# Altium PCB 驰风队20200806.PcbDoc (part 2 of 3) (continued)
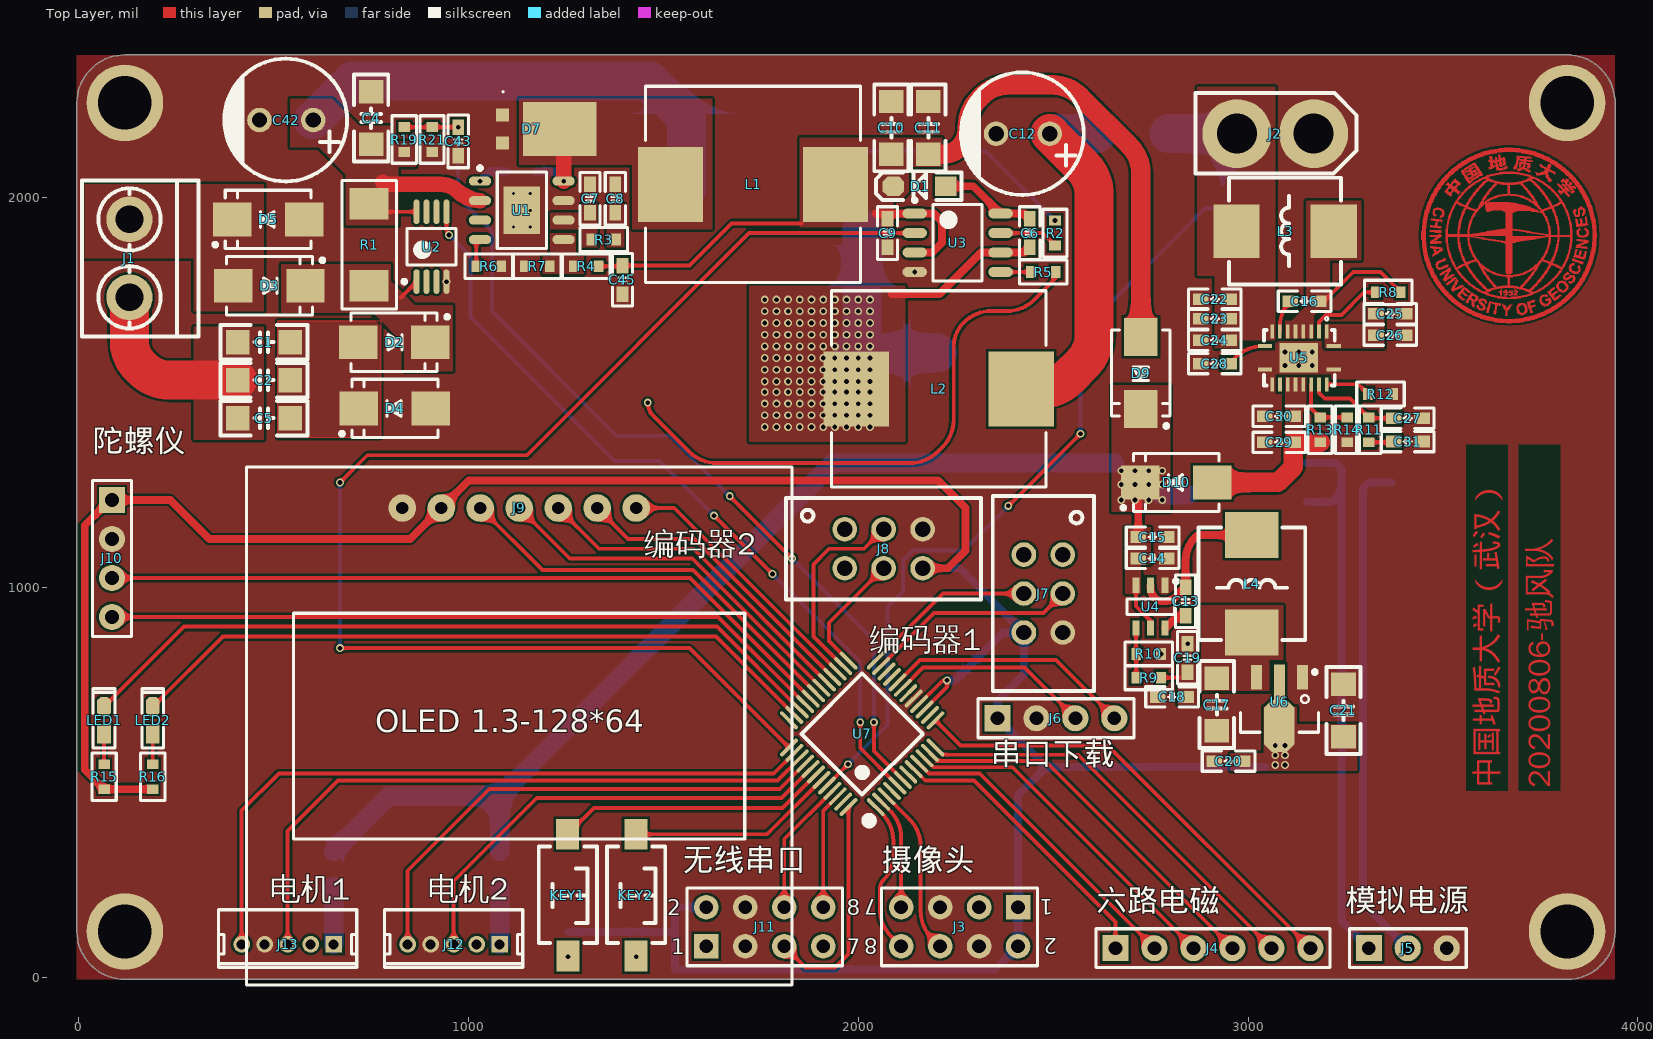
[diagram p0: Top Layer view]
## Nets (pads, with @x,y where several pads share a name; then routed paths per layer and width w, separated by ;. In a path a pad name is that pad's centre, name@x,y a point inside that pad or via, vN(x,y) a via of type N, cw(c..) or ccw(c..) an arc to the next point about the centre after c; other vN are vias at no path point) (continued)
3557.5,1794 ; 3551.5,1840.5 3557.5,1840.5 ; 3551.5,1842 3556,1842 ; 3551.5,1966.5 3556,1966.5 ; 3551.5,1968 3557.5,1968 ; 3551.5,2016 3557.5,2016 ; 3551.5,2061 3559,2061 ; 3551.5,2073 3559,2073 ; 3553,1713 3572.5,1713 ; 3553,1753.5 3560.5,1753.5 ; 3553,1771.5 3556,1771.5 ; 3553,1791 3560.5,1791 ; 3553,1792.5 3559,1792.5 ; 3553,1831.5 3565,1831.5 ; 3553,1837.5 3559,1837.5 ; 3553,1839 3557.5,1839 ; 3553,1969.5 3557.5,1969.5 ; 3553,1971 3559,1971 ; 3553,1972.5 3559,1972.5 ; 3553,1978.5 3563.5,1978.5 ; 3553,2017.5 3559,2017.5 ; 3553,2058 3560.5,2058 ; 3553,2059.5 3559,2059.5 ; 3553,2095.5 3572.5,2095.5 ; 3554.5,1711.5 3575.5,1711.5 ; 3554.5,1752 3562,1752 ; 3554.5,1789.5 3562,1789.5 ; 3554.5,1834.5 3572.5,1834.5 ; 3554.5,1836 3559,1836 ; 3554.5,1974 3560.5,1974 ; 3554.5,2019 3560.5,2019 ; 3554.5,2056.5 3562,2056.5 ; 3554.5,2074.5 3562,2074.5 ; 3554.5,2097 3575.5,2097 ; 3556,1750.5 3562,1750.5 ; 3556,1788 3563.5,1788 ; 3556,1833 3569.5,1833 ; 3556,1975.5 3571,1975.5 ; 3556,1977 3566.5,1977 ; 3556,2020.5 3562,2020.5 ; 3556,2053.5 3563.5,2053.5 ; 3556,2055 3562,2055 ; 3556,2076 3563.5,2076 ; 3557.5,1710 3580,1710 ; 3557.5,1765.5 3563.5,1765.5 ; 3557.5,1786.5 3565,1786.5 ; 3557.5,1981.5 3563.5,1981.5 ; 3557.5,2022 3563.5,2022 ; 3557.5,2050.5 3565,2050.5 ; 3557.5,2052 3565,2052 ; 3557.5,2067 3563.5,2067 ; 3557.5,2098.5 3578.5,2098.5 ; 3559,1732.5 3565,1732.5 ; 3559,1734 3565,1734 ; 3559,1749 3560.5,1749 ; 3559,1764 3565,1764 ; 3559,1825.5 3565,1825.5 ; 3559,1827 3565,1827 ; 3559,1983 3565,1983 ; 3559,2023.5 3565,2023.5 ; 3559,2049 3566.5,2049 ; 3559,2065.5 3560.5,2065.5 ; 3559,2068.5 3565,2068.5 ; 3559,2077.5 3566.5,2077.5 ; 3560.5,1708.5 3583,1708.5 ; 3560.5,1735.5 3566.5,1735.5 ; 3560.5,1737 3566.5,1737 ; 3560.5,1762.5 3568,1762.5 ; 3560.5,1785 3566.5,1785 ; 3560.5,1824 3566.5,1824 ; 3560.5,1984.5 3565,1984.5 ; 3560.5,1986 3566.5,1986 ; 3560.5,2025 3566.5,2025 ; 3560.5,2046 3568,2046 ; 3560.5,2047.5 3568,2047.5 ; 3560.5,2070 3574,2070 ; 3560.5,2079 3568,2079 ; 3560.5,2100 3583,2100 ; 3562,1731 3563.5,1731 ; 3562,1738.5 3568,1738.5 ; 3562,1740 3569.5,1740 ; 3562,1761 3569.5,1761 ; 3562,1783.5 3568,1783.5 ; 3562,1821 3568,1821 ; 3562,1822.5 3566.5,1822.5 ; 3562,1974 3575.5,1974 ; 3562,1987.5 3568,1987.5 ; 3562,1989 3568,1989 ; 3562,2026.5 3569.5,2026.5 ; 3562,2044.5 3575.5,2044.5 ; 3562,2061 3568,2061 ; 3562,2101.5 3586,2101.5 ; 3563.5,1707 3586,1707 ; 3563.5,1741.5 3575.5,1741.5 ; 3563.5,1759.5 3571,1759.5 ; 3563.5,1782 3569.5,1782 ; 3563.5,1818 3569.5,1818 ; 3563.5,1819.5 3569.5,1819.5 ; 3563.5,1836 3577,1836 ; 3563.5,1890 3568,1890 ; 3563.5,1891.5 3568,1891.5 ; 3563.5,1893 3568,1893 ; 3563.5,1894.5 3568,1894.5 ; 3563.5,1896 3568,1896 ; 3563.5,1897.5 3568,1897.5 ; 3563.5,1899 3568,1899 ; 3563.5,1900.5 3568,1900.5 ; 3563.5,1908 3568,1908 ; 3563.5,1909.5 3568,1909.5 ; 3563.5,1911 3568,1911 ; 3563.5,1912.5 3568,1912.5 ; 3563.5,1914 3568,1914 ; 3563.5,1915.5 3568,1915.5 ; 3563.5,1917 3568,1917 ; 3563.5,1918.5 3568,1918.5 ; 3563.5,1920 3568,1920 ; 3563.5,1990.5 3569.5,1990.5 ; 3563.5,2028 3571,2028 ; 3563.5,2041.5 3571,2041.5 ; 3563.5,2043 3572.5,2043 ; 3563.5,2059.5 3566.5,2059.5 ; 3563.5,2062.5 3578.5,2062.5 ; 3563.5,2071.5 3572.5,2071.5 ; 3563.5,2080.5 3571,2080.5 ; 3565,1705.5 3589,1705.5 ; 3565,1743 3574,1743 ; 3565,1744.5 3572.5,1744.5 ; 3565,1780.5 3571,1780.5 ; 3565,1816.5 3571,1816.5 ; 3565,1881 3569.5,1881 ; 3565,1882.5 3569.5,1882.5 ; 3565,1884 3569.5,1884 ; 3565,1885.5 3569.5,1885.5 ; 3565,1887 3569.5,1887 ; 3565,1888.5 3568,1888.5 ; 3565,1921.5 3569.5,1921.5 ; 3565,1923 3569.5,1923 ; 3565,1924.5 3569.5,1924.5 ; 3565,1926 3569.5,1926 ; 3565,1927.5 3569.5,1927.5 ; 3565,1992 3569.5,1992 ; 3565,1993.5 3571,1993.5 ; 3565,2029.5 3572.5,2029.5 ; 3565,2040 3572.5,2040 ; 3565,2073 3572.5,2073 ; 3565,2103 3589,2103 ; 3566.5,1746 3572.5,1746 ; 3566.5,1747.5 3574,1747.5 ; 3566.5,1758 3569.5,1758 ; 3566.5,1779 3574,1779 ; 3566.5,1813.5 3572.5,1813.5 ; 3566.5,1815 3572.5,1815 ; 3566.5,1876.5 3571,1876.5 ; 3566.5,1878 3571,1878 ; 3566.5,1879.5 3571,1879.5 ; 3566.5,1929 3571,1929 ; 3566.5,1930.5 3571,1930.5 ; 3566.5,1932 3571,1932 ; 3566.5,1933.5 3571,1933.5 ; 3566.5,1972.5 3578.5,1972.5 ; 3566.5,1995 3572.5,1995 ; 3566.5,1996.5 3572.5,1996.5 ; 3566.5,2037 3568,2037 ; 3566.5,2038.5 3571,2038.5 ; 3566.5,2052 3574,2052 ; 3566.5,2064 3578.5,2064 ; 3566.5,2082 3572.5,2082 ; 3568,1704 3593.5,1704 ; 3568,1749 3574,1749 ; 3568,1777.5 3575.5,1777.5 ; 3568,1812 3574,1812 ; 3568,1837.5 3581.5,1837.5 ; 3568,1870.5 3574,1870.5 ; 3568,1872 3572.5,1872 ; 3568,1873.5 3572.5,1873.5 ; 3568,1875 3572.5,1875 ; 3568,1935 3572.5,1935 ; 3568,1936.5 3572.5,1936.5 ; 3568,1938 3572.5,1938 ; 3568,1998 3574,1998 ; 3568,2031 3574,2031 ; 3568,2050.5 3571,2050.5 ; 3568,2068.5 3584.5,2068.5 ; 3568,2074.5 3574,2074.5 ; 3568,2083.5 3575.5,2083.5 ; 3568,2104.5 3593.5,2104.5 ; 3569.5,1750.5 3575.5,1750.5 ; 3569.5,1752 3583,1752 ; 3569.5,1809 3577,1809 ; 3569.5,1810.5 3575.5,1810.5 ; 3569.5,1867.5 3574,1867.5 ; 3569.5,1869 3574,1869 ; 3569.5,1939.5 3574,1939.5 ; 3569.5,1941 3574,1941 ; 3569.5,1942.5 3574,1942.5 ; 3569.5,1971 3583,1971 ; 3569.5,1999.5 3575.5,1999.5 ; 3569.5,2001 3575.5,2001 ; 3569.5,2032.5 3577,2032.5 ; 3569.5,2053.5 3575.5,2053.5 ; 3569.5,2065.5 3577,2065.5 ; 3569.5,2067 3577,2067 ; 3569.5,2076 3577,2076 ; 3571,1702.5 3598,1702.5 ; 3571,1740 3578.5,1740 ; 3571,1753.5 3580,1753.5 ; 3571,1755 3578.5,1755 ; 3571,1776 3577,1776 ; 3571,1807.5 3577,1807.5 ; 3571,1839 3592,1839 ; 3571,1863 3577,1863 ; 3571,1864.5 3575.5,1864.5 ; 3571,1866 3575.5,1866 ; 3571,1944 3575.5,1944 ; 3571,1945.5 3575.5,1945.5 ; 3571,2002.5 3577,2002.5 ; 3571,2034 3578.5,2034 ; 3571,2046 3577,2046 ; 3571,2055 3578.5,2055 ; 3571,2085 3577,2085 ; 3571,2106 3596.5,2106 ; 3572.5,1738.5 3589,1738.5 ; 3572.5,1756.5 3575.5,1756.5 ; 3572.5,1774.5 3580,1774.5 ; 3572.5,1806 3578.5,1806 ; 3572.5,1860 3578.5,1860 ; 3572.5,1861.5 3577,1861.5 ; 3572.5,1900.5 3589,1900.5 ; 3572.5,1947 3577,1947 ; 3572.5,1948.5 3577,1948.5 ; 3572.5,1950 3578.5,1950 ; 3572.5,2004 3578.5,2004 ; 3572.5,2035.5 3580,2035.5 ; 3572.5,2047.5 3580,2047.5 ; 3572.5,2061 3587.5,2061 ; 3572.5,2077.5 3578.5,2077.5 ; 3572.5,2086.5 3586,2086.5 ; 3574,1726.5 3580,1726.5 ; 3574,1728 3580,1728 ; 3574,1729.5 3580,1729.5 ; 3574,1731 3580,1731 ; 3574,1732.5 3580,1732.5 ; 3574,1734 3578.5,1734 ; 3574,1735.5 3578.5,1735.5 ; 3574,1737 3587.5,1737 ; 3574,1773 3581.5,1773 ; 3574,1803 3581.5,1803 ; 3574,1804.5 3580,1804.5 ; 3574,1857 3580,1857 ; 3574,1858.5 3578.5,1858.5 ; 3574,1951.5 3578.5,1951.5 ; 3574,1953 3580,1953 ; 3574,1969.5 3590.5,1969.5 ; 3574,2005.5 3580,2005.5 ; 3574,2007 3580,2007 ; 3574,2056.5 3580,2056.5 ; 3574,2058 3583,2058 ; 3574,2059.5 3584.5,2059.5 ; 3574,2079 3580,2079 ; 3574,2107.5 3601,2107.5 ; 3575.5,1701 3602.5,1701 ; 3575.5,1723.5 3580,1723.5 ; 3575.5,1725 3580,1725 ; 3575.5,1801.5 3581.5,1801.5 ; 3575.5,1840.5 3590.5,1840.5 ; 3575.5,1854 3581.5,1854 ; 3575.5,1855.5 3580,1855.5 ; 3575.5,1954.5 3580,1954.5 ; 3575.5,1956 3581.5,1956 ; 3575.5,2008.5 3581.5,2008.5 ; 3575.5,2037 3583,2037 ; 3575.5,2049 3581.5,2049 ; 3575.5,2070 3583,2070 ; 3575.5,2088 3584.5,2088 ; 3577,1722 3580,1722 ; 3577,1750.5 3586,1750.5 ; 3577,1771.5 3584.5,1771.5 ; 3577,1800 3583,1800 ; 3577,1851 3583,1851 ; 3577,1852.5 3581.5,1852.5 ; 3577,1908 3677.5,1908 ; 3577,1957.5 3583,1957.5 ; 3577,2010 3583,2010 ; 3577,2011.5 3584.5,2011.5 ; 3577,2038.5 3584.5,2038.5 ; 3577,2050.5 3584.5,2050.5 ; 3577,2080.5 3578.5,2080.5 ; 3577,2089.5 3583,2089.5 ; 3578.5,1699.5 3607,1699.5 ; 3578.5,1720.5 3580,1720.5 ; 3578.5,1770 3586,1770 ; 3578.5,1797 3586,1797 ; 3578.5,1798.5 3584.5,1798.5 ; 3578.5,1849.5 3583,1849.5 ; 3578.5,1959 3583,1959 ; 3578.5,1960.5 3584.5,1960.5 ; 3578.5,1968 3589,1968 ; 3578.5,2013 3586,2013 ; 3578.5,2071.5 3584.5,2071.5 ; 3578.5,2085 3586,2085 ; 3578.5,2109 3605.5,2109 ; 3580,1749 3587.5,1749 ; 3580,1795.5 3587.5,1795.5 ; 3580,1842 3589,1842 ; 3580,1846.5 3586,1846.5 ; 3580,1848 3584.5,1848 ; 3580,1962 3584.5,1962 ; 3580,1963.5 3586,1963.5 ; 3580,2014.5 3586,2014.5 ; 3580,2040 3587.5,2040 ; 3580,2052 3587.5,2052 ; 3580,2065.5 3586,2065.5 ; 3580,2067 3586,2067 ; 3580,2073 3583,2073 ; 3580,2083.5 3587.5,2083.5 ; 3580,2091 3583,2091 ; 3581.5,1698 3611.5,1698 ; 3581.5,1735.5 3584.5,1735.5 ; 3581.5,1747.5 3589,1747.5 ; 3581.5,1768.5 3589,1768.5 ; 3581.5,1794 3587.5,1794 ; 3581.5,1843.5 3587.5,1843.5 ; 3581.5,1845 3587.5,1845 ; 3581.5,1899 3598,1899 ; 3581.5,1965 3587.5,1965 ; 3581.5,1966.5 3589,1966.5 ; 3581.5,2016 3587.5,2016 ; 3581.5,2041.5 3590.5,2041.5 ; 3581.5,2053.5 3589,2053.5 ; 3581.5,2080.5 3589,2080.5 ; 3581.5,2082 3589,2082 ; 3581.5,2110.5 3611.5,2110.5 ; 3583,1740 3589,1740 ; 3583,1767 3592,1767 ; 3583,1792.5 3589,1792.5 ; 3583,2017.5 3589,2017.5 ; 3583,2019 3590.5,2019 ; 3583,2062.5 3590.5,2062.5 ; 3583,2064 3590.5,2064 ; 3583,2079 3590.5,2079 ; 3584.5,1696.5 3617.5,1696.5 ; 3584.5,1741.5 3590.5,1741.5 ; 3584.5,1743 3590.5,1743 ; 3584.5,1744.5 3590.5,1744.5 ; 3584.5,1746 3590.5,1746 ; 3584.5,1791 3590.5,1791 ; 3584.5,2020.5 3592,2020.5 ; 3584.5,2043 3592,2043 ; 3584.5,2055 3592,2055 ; 3584.5,2076 3592,2076 ; 3584.5,2077.5 3592,2077.5 ; 3584.5,2112 3616,2112 ; 3586,1765.5 3593.5,1765.5 ; 3586,1789.5 3592,1789.5 ; 3586,1909.5 3677.5,1909.5 ; 3586,1971 3592,1971 ; 3586,2022 3593.5,2022 ; 3586,2044.5 3595,2044.5 ; 3586,2056.5 3593.5,2056.5 ; 3586,2074.5 3593.5,2074.5 ; 3587.5,1719 3593.5,1719 ; 3587.5,1720.5 3592,1720.5 ; 3587.5,1722 3592,1722 ; 3587.5,1723.5 3592,1723.5 ; 3587.5,1725 3592,1725 ; 3587.5,1764 3596.5,1764 ; 3587.5,1786.5 3595,1786.5 ; 3587.5,1788 3593.5,1788 ; 3587.5,1836 3593.5,1836 ; 3587.5,1837.5 3593.5,1837.5 ; 3587.5,1972.5 3593.5,1972.5 ; 3587.5,2023.5 3593.5,2023.5 ; 3587.5,2065.5 3589,2065.5 ; 3587.5,2071.5 3595,2071.5 ; 3587.5,2073 3595,2073 ; 3589,1695 3623.5,1695 ; 3589,1717.5 3596.5,1717.5 ; 3589,1785 3596.5,1785 ; 3589,1834.5 3595,1834.5 ; 3589,1897.5 3607,1897.5 ; 3589,1974 3595,1974 ; 3589,2025 3595,2025 ; 3589,2046 3598,2046 ; 3589,2058 3599.5,2058 ; 3589,2070 3596.5,2070 ; 3589,2113.5 3622,2113.5 ; 3590.5,1716 3607,1716 ; 3590.5,1762.5 3599.5,1762.5 ; 3590.5,1783.5 3598,1783.5 ; 3590.5,1831.5 3598,1831.5 ; 3590.5,1833 3596.5,1833 ; 3590.5,1975.5 3596.5,1975.5 ; 3590.5,1977 3598,1977 ; 3590.5,2026.5 3596.5,2026.5 ; 3590.5,2059.5 3602.5,2059.5 ; 3590.5,2067 3598,2067 ; 3590.5,2068.5 3598,2068.5 ; 3592,1714.5 3607,1714.5 ; 3592,1734 3598,1734 ; 3592,1735.5 3598,1735.5 ; 3592,1737 3598,1737 ; 3592,1782 3599.5,1782 ; 3592,1828.5 3601,1828.5 ; 3592,1830 3599.5,1830 ; 3592,1978.5 3599.5,1978.5 ; 3592,1980 3601,1980 ; 3592,2028 3598,2028 ; 3592,2047.5 3601,2047.5 ; 3592,2065.5 3599.5,2065.5 ; 3592,2115 3629.5,2115 ; 3593.5,1693.5 3631,1693.5 ; 3593.5,1731 3601,1731 ; 3593.5,1732.5 3599.5,1732.5 ; 3593.5,1738.5 3610,1738.5 ; 3593.5,1740 3608.5,1740 ; 3593.5,1761 3602.5,1761 ; 3593.5,1780.5 3601,1780.5 ; 3593.5,1825.5 3605.5,1825.5 ; 3593.5,1827 3604,1827 ; 3593.5,1981.5 3602.5,1981.5 ; 3593.5,1983 3604,1983 ; 3593.5,2029.5 3599.5,2029.5 ; 3593.5,2031 3601,2031 ; 3593.5,2061 3602.5,2061 ; 3593.5,2062.5 3601,2062.5 ; 3593.5,2064 3599.5,2064 ; 3595,1713 3604,1713 ; 3595,1729.5 3602.5,1729.5 ; 3595,1779 3602.5,1779 ; 3595,1824 3607,1824 ; 3595,1911 3677.5,1911 ; 3595,1984.5 3605.5,1984.5 ; 3595,1986 3691,1986 ; 3595,2032.5 3602.5,2032.5 ; 3595,2049 3604,2049 ; 3596.5,1692 3640,1692 ; 3596.5,1728 3605.5,1728 ; 3596.5,1741.5 3605.5,1741.5 ; 3596.5,1759.5 3616,1759.5 ; 3596.5,1777.5 3604,1777.5 ; 3596.5,1821 3602.5,1821 ; 3596.5,1822.5 3608.5,1822.5 ; 3596.5,1987.5 3682,1987.5 ; 3596.5,1989 3602.5,1989 ; 3596.5,2034 3604,2034 ; 3596.5,2116.5 3638.5,2116.5 ; 3598,1726.5 3607,1726.5 ; 3598,1776 3605.5,1776 ; 3598,1818 3604,1818 ; 3598,1819.5 3602.5,1819.5 ; 3598,1896 3617.5,1896 ; 3598,1990.5 3602.5,1990.5 ; 3598,1992 3604,1992 ; 3598,2035.5 3605.5,2035.5 ; 3598,2050.5 3617.5,2050.5 ; 3599.5,1725 3607,1725 ; 3599.5,1758 3613,1758 ; 3599.5,1774.5 3607,1774.5 ; 3599.5,1815 3605.5,1815 ; 3599.5,1816.5 3605.5,1816.5 ; 3599.5,1993.5 3605.5,1993.5 ; 3599.5,2037 3607,2037 ; 3601,1690.5 3653.5,1690.5 ; 3601,1773 3608.5,1773 ; 3601,1813.5 3607,1813.5 ; 3601,1995 3605.5,1995 ; 3601,1996.5 3607,1996.5 ; 3601,2038.5 3608.5,2038.5 ; 3601,2052 3614.5,2052 ; 3601,2118 3652,2118 ; 3602.5,1717.5 3608.5,1717.5 ; 3602.5,1722 3608.5,1722 ; 3602.5,1723.5 3608.5,1723.5 ; 3602.5,1756.5 3613,1756.5 ; 3602.5,1771.5 3610,1771.5 ; 3602.5,1810.5 3608.5,1810.5 ; 3602.5,1812 3607,1812 ; 3602.5,1912.5 3677.5,1912.5 ; 3602.5,1998 3608.5,1998 ; 3602.5,1999.5 3608.5,1999.5 ; 3602.5,2040 3610,2040 ; 3604,1719 3608.5,1719 ; 3604,1720.5 3608.5,1720.5 ; 3604,1737 3611.5,1737 ; 3604,1770 3611.5,1770 ; 3604,1807.5 3610,1807.5 ; 3604,1809 3610,1809 ; 3604,1821 3611.5,1821 ; 3604,1989 3613,1989 ; 3604,2001 3610,2001 ; 3604,2041.5 3611.5,2041.5 ; 3604,2053.5 3614.5,2053.5 ; 3605.5,1755 3617.5,1755 ; 3605.5,1768.5 3613,1768.5 ; 3605.5,1806 3611.5,1806 ; 3605.5,1819.5 3613,1819.5 ; 3605.5,2002.5 3611.5,2002.5 ; 3605.5,2004 3611.5,2004 ; 3605.5,2043 3613,2043 ; 3605.5,2119.5 3734.5,2119.5 ; 3607,1689 3733,1689 ; 3607,1732.5 3613,1732.5 ; 3607,1734 3613,1734 ; 3607,1735.5 3613,1735.5 ; 3607,1761 3619,1761 ; 3607,1767 3614.5,1767 ; 3607,1803 3613,1803 ; 3607,1804.5 3613,1804.5 ; 3607,1818 3616,1818 ; 3607,1894.5 3626.5,1894.5 ; 3607,1990.5 3613,1990.5 ; 3607,2005.5 3613,2005.5 ; 3607,2055 3619,2055 ; 3608.5,1731 3613,1731 ; 3608.5,1765.5 3616,1765.5 ; 3608.5,1801.5 3614.5,1801.5 ; 3608.5,1978.5 3719.5,1978.5 ; 3608.5,1980 3715,1980 ; 3608.5,1981.5 3710.5,1981.5 ; 3608.5,1983 3704.5,1983 ; 3608.5,1984.5 3698.5,1984.5 ; 3608.5,1992 3616,1992 ; 3608.5,2007 3614.5,2007 ; 3608.5,2008.5 3614.5,2008.5 ; 3608.5,2044.5 3616,2044.5 ; 3610,1753.5 3622,1753.5 ; 3610,1800 3616,1800 ; 3610,1816.5 3617.5,1816.5 ; 3610,1971 3737.5,1971 ; 3610,1972.5 3734.5,1972.5 ; 3610,1974 3731.5,1974 ; 3610,1975.5 3727,1975.5 ; 3610,1977 3724,1977 ; 3610,1993.5 3619,1993.5 ; 3610,2010 3616,2010 ; 3610,2046 3629.5,2046 ; 3610,2049 3620.5,2049 ; 3611.5,1687.5 3728.5,1687.5 ; 3611.5,1708.5 3617.5,1708.5 ; 3611.5,1762.5 3623.5,1762.5 ; 3611.5,1764 3626.5,1764 ; 3611.5,1797 3617.5,1797 ; 3611.5,1798.5 3617.5,1798.5 ; 3611.5,1815 3620.5,1815 ; 3611.5,1914 3677.5,1914 ; 3611.5,1968 3628,1968 ; 3611.5,1969.5 3740.5,1969.5 ; 3611.5,2011.5 3617.5,2011.5 ; 3611.5,2047.5 3625,2047.5 ; 3611.5,2056.5 3623.5,2056.5 ; 3611.5,2121 3728.5,2121 ; 3613,1710 3617.5,1710 ; 3613,1711.5 3617.5,1711.5 ; 3613,1713 3619,1713 ; 3613,1714.5 3619,1714.5 ; 3613,1752 3626.5,1752 ; 3613,1795.5 3619,1795.5 ; 3613,1966.5 3620.5,1966.5 ; 3613,1995 3622,1995 ; 3613,2013 3619,2013 ; 3613,2014.5 3619,2014.5 ; 3614.5,1707 3617.5,1707 ; 3614.5,1716 3619,1716 ; 3614.5,1717.5 3620.5,1717.5 ; 3614.5,1719 3620.5,1719 ; 3614.5,1792.5 3620.5,1792.5 ; 3614.5,1794 3620.5,1794 ; 3614.5,1813.5 3623.5,1813.5 ; 3614.5,2016 3620.5,2016 ; 3614.5,2058 3628,2058 ; 3616,1720.5 3620.5,1720.5 ; 3616,1722 3620.5,1722 ; 3616,1723.5 3622,1723.5 ; 3616,1725 3622,1725 ; 3616,1791 3622,1791 ; 3616,1893 3635.5,1893 ; 3616,1996.5 3625,1996.5 ; 3616,2017.5 3622,2017.5 ; 3616,2094 3628,2094 ; 3616,2095.5 3632.5,2095.5 ; 3617.5,1686 3722.5,1686 ; 3617.5,1726.5 3622,1726.5 ; 3617.5,1728 3623.5,1728 ; 3617.5,1729.5 3623.5,1729.5 ; 3617.5,1750.5 3632.5,1750.5 ; 3617.5,1765.5 3631,1765.5 ; 3617.5,1789.5 3623.5,1789.5 ; 3617.5,1812 3626.5,1812 ; 3617.5,1998 3628,1998 ; 3617.5,2019 3623.5,2019 ; 3617.5,2020.5 3625,2020.5 ; 3617.5,2077.5 3628,2077.5 ; 3617.5,2079 3629.5,2079 ; 3617.5,2122.5 3722.5,2122.5 ; 3619,1731 3623.5,1731 ; 3619,1732.5 3625,1732.5 ; 3619,1734 3625,1734 ; 3619,1788 3625,1788 ; 3619,1989 3670,1989 ; 3619,2022 3625,2022 ; 3619,2044.5 3634,2044.5 ; 3619,2059.5 3635.5,2059.5 ; 3619,2074.5 3622,2074.5 ; 3619,2076 3625,2076 ; 3619,2097 3631,2097 ; 3619,2106 3625,2106 ; 3620.5,1767 3637,1767 ; 3620.5,1785 3626.5,1785 ; 3620.5,1786.5 3626.5,1786.5 ; 3620.5,1810.5 3629.5,1810.5 ; 3620.5,1915.5 3677.5,1915.5 ; 3620.5,1999.5 3631,1999.5 ; 3620.5,2023.5 3626.5,2023.5 ; 3620.5,2098.5 3626.5,2098.5 ; 3620.5,2100 3626.5,2100 ; 3620.5,2101.5 3626.5,2101.5 ; 3620.5,2103 3626.5,2103 ; 3620.5,2104.5 3626.5,2104.5 ; 3620.5,2107.5 3625,2107.5 ; 3622,1749 3638.5,1749 ; 3622,1783.5 3628,1783.5 ; 3622,2025 3628,2025 ; 3622,2080.5 3632.5,2080.5 ; 3622,2086.5 3628,2086.5 ; 3622,2088 3628,2088 ; 3622,2089.5 3628,2089.5 ; 3622,2091 3628,2091 ; 3622,2092.5 3628,2092.5 ; 3623.5,1782 3629.5,1782 ; 3623.5,1809 3634,1809 ; 3623.5,2001 3635.5,2001 ; 3623.5,2026.5 3629.5,2026.5 ; 3623.5,2043 3640,2043 ; 3623.5,2061 3641.5,2061 ; 3623.5,2082 3634,2082 ; 3623.5,2083.5 3634,2083.5 ; 3623.5,2085 3628,2085 ; 3623.5,2124 3716.5,2124 ; 3625,1684.5 3715,1684.5 ; 3625,1768.5 3643,1768.5 ; 3625,1780.5 3631,1780.5 ; 3625,1891.5 3644.5,1891.5 ; 3625,2028 3631,2028 ; 3626.5,1729.5 3646,1729.5 ; 3626.5,1731 3638.5,1731 ; 3626.5,1732.5 3631,1732.5 ; 3626.5,1747.5 3647.5,1747.5 ; 3626.5,1777.5 3634,1777.5 ; 3626.5,1779 3632.5,1779 ; 3626.5,1807.5 3638.5,1807.5 ; 3626.5,2029.5 3632.5,2029.5 ; 3628,1776 3635.5,1776 ; 3628,2002.5 3640,2002.5 ; 3628,2031 3634,2031 ; 3628,2032.5 3635.5,2032.5 ; 3628,2041.5 3646,2041.5 ; 3629.5,1770 3653.5,1770 ; 3629.5,1774.5 3637,1774.5 ; 3629.5,1806 3643,1806 ; 3629.5,1917 3677.5,1917 ; 3629.5,2034 3637,2034 ; 3629.5,2062.5 3652,2062.5 ; 3629.5,2094 3641.5,2094 ; 3629.5,2098.5 3631,2098.5 ; 3631,1704 3635.5,1704 ; 3631,1705.5 3635.5,1705.5 ; 3631,1707 3637,1707 ; 3631,1708.5 3637,1708.5 ; 3631,1710 3637,1710 ; 3631,1728 3649,1728 ; 3631,1773 3637,1773 ; 3631,2004 3644.5,2004 ; 3631,2035.5 3638.5,2035.5 ; 3631,2091 3640,2091 ; 3631,2092.5 3640,2092.5 ; 3632.5,1683 3707.5,1683 ; 3632.5,1702.5 3635.5,1702.5 ; 3632.5,1711.5 3637,1711.5 ; 3632.5,1713 3637,1713 ; 3632.5,1714.5 3637,1714.5 ; 3632.5,1716 3638.5,1716 ; 3632.5,1717.5 3638.5,1717.5 ; 3632.5,1746 3664,1746 ; 3632.5,1771.5 3704.5,1771.5 ; 3632.5,1890 3653.5,1890 ; 3632.5,2037 3640,2037 ; 3632.5,2040 3656.5,2040 ; 3632.5,2125.5 3707.5,2125.5 ; 3634,1719 3638.5,1719 ; 3634,1720.5 3638.5,1720.5 ; 3634,1722 3638.5,1722 ; 3634,1723.5 3640,1723.5 ; 3634,1725 3640,1725 ; 3634,1726.5 3649,1726.5 ; 3634,1804.5 3649,1804.5 ; 3634,2038.5 3704.5,2038.5 ; 3634,2095.5 3649,2095.5 ; 3634,2097 3649,2097 ; 3634,2098.5 3640,2098.5 ; 3634,2100 3640,2100 ; 3634,2101.5 3638.5,2101.5 ; 3634,2103 3638.5,2103 ; 3634,2104.5 3638.5,2104.5 ; 3635.5,2005.5 3652,2005.5 ; 3635.5,2064 3704.5,2064 ; 3635.5,2085 3641.5,2085 ; 3635.5,2086.5 3641.5,2086.5 ; 3635.5,2088 3641.5,2088 ; 3635.5,2089.5 3640,2089.5 ; 3637,1918.5 3698.5,1918.5 ; 3637,2074.5 3661,2074.5 ; 3637,2076 3664,2076 ; 3637,2077.5 3643,2077.5 ; 3637,2079 3643,2079 ; 3637,2080.5 3641.5,2080.5 ; 3637,2082 3641.5,2082 ; 3637,2083.5 3641.5,2083.5 ; 3638.5,1803 3658,1803 ; 3638.5,2073 3653.5,2073 ; 3640,1744.5 3700,1744.5 ; 3640,2007 3665.5,2007 ; 3641.5,1773 3692.5,1773 ; 3641.5,1888.5 3695.5,1888.5 ; 3641.5,2098.5 3659.5,2098.5 ; 3641.5,2107.5 3647.5,2107.5 ; 3641.5,2109 3647.5,2109 ; 3641.5,2110.5 3647.5,2110.5 ; 3643,1681.5 3697,1681.5 ; 3643,1759.5 3650.5,1759.5 ; 3643,1801.5 3697,1801.5 ; 3643,2100 3659.5,2100 ; 3643,2101.5 3659.5,2101.5 ; 3643,2103 3649,2103 ; 3643,2104.5 3649,2104.5 ; 3643,2106 3647.5,2106 ; 3643,2127 3698.5,2127 ; 3644.5,1761 3650.5,1761 ; 3644.5,2037 3695.5,2037 ; 3644.5,2065.5 3695.5,2065.5 ; 3644.5,2086.5 3650.5,2086.5 ; 3644.5,2088 3650.5,2088 ; 3644.5,2089.5 3650.5,2089.5 ; 3644.5,2091 3650.5,2091 ; 3644.5,2092.5 3650.5,2092.5 ; 3644.5,2094 3649,2094 ; 3646,1725 3649,1725 ; 3646,1920 3689.5,1920 ; 3646,2008.5 3694,2008.5 ; 3646,2082 3652,2082 ; 3646,2083.5 3650.5,2083.5 ; 3646,2085 3650.5,2085 ; 3647.5,1752 3650.5,1752 ; 3647.5,1753.5 3650.5,1753.5 ; 3647.5,1755 3650.5,1755 ; 3647.5,1756.5 3650.5,1756.5 ; 3647.5,1758 3650.5,1758 ; 3647.5,1762.5 3650.5,1762.5 ; 3649,1764 3650.5,1764 ; 3650.5,1743 3689.5,1743 ; 3650.5,1800 3689.5,1800 ; 3650.5,1887 3686.5,1887 ; 3652,1726.5 3658,1726.5 ; 3652,1728 3653.5,1728 ; 3652,1774.5 3682,1774.5 ; 3652,1968 3743.5,1968 ; 3652,2086.5 3661,2086.5 ; 3652,2103 3658,2103 ; 3653.5,1723.5 3659.5,1723.5 ; 3653.5,1725 3659.5,1725 ; 3653.5,2010 3686.5,2010 ; 3653.5,2035.5 3685,2035.5 ; 3653.5,2077.5 3665.5,2077.5 ; 3653.5,2085 3659.5,2085 ; 3653.5,2088 3661,2088 ; 3653.5,2092.5 3659.5,2092.5 ; 3653.5,2094 3659.5,2094 ; 3653.5,2095.5 3659.5,2095.5 ; 3653.5,2097 3659.5,2097 ; 3655,1720.5 3661,1720.5 ; 3655,1722 3661,1722 ; 3655,1759.5 3658,1759.5 ; 3655,1921.5 3680.5,1921.5 ; 3655,2067 3685,2067 ; 3655,2083.5 3656.5,2083.5 ; 3655,2089.5 3661,2089.5 ; 3655,2091 3661,2091 ; 3655,2104.5 3658,2104.5 ; 3656.5,1717.5 3662.5,1717.5 ; 3656.5,1719 3662.5,1719 ; 3656.5,1752 3665.5,1752 ; 3656.5,1756.5 3667,1756.5 ; 3656.5,1758 3659.5,1758 ; 3656.5,1761 3659.5,1761 ; 3656.5,1762.5 3665.5,1762.5 ; 3656.5,1966.5 3688,1966.5 ; 3658,1716 3670,1716 ; 3658,1885.5 3677.5,1885.5 ; 3658,2079 3665.5,2079 ; 3658,2128.5 3680.5,2128.5 ; 3659.5,1699.5 3665.5,1699.5 ; 3659.5,1713 3667,1713 ; 3659.5,1714.5 3668.5,1714.5 ; 3659.5,1750.5 3661,1750.5 ; 3659.5,1764 3662.5,1764 ; 3659.5,1965 3683.5,1965 ; 3659.5,2080.5 3665.5,2080.5 ; 3659.5,2082 3665.5,2082 ; 3661,1701 3665.5,1701 ; 3661,1702.5 3665.5,1702.5 ; 3661,1704 3665.5,1704 ; 3661,1705.5 3665.5,1705.5 ; 3661,1707 3665.5,1707 ; 3661,1708.5 3665.5,1708.5 ; 3661,1710 3665.5,1710 ; 3661,1711.5 3667,1711.5 ; 3661,1798.5 3679,1798.5 ; 3661,1809 3677.5,1809 ; 3661,1810.5 3677.5,1810.5 ; 3661,1812 3677.5,1812 ; 3661,1813.5 3677.5,1813.5 ; 3661,1815 3677.5,1815 ; 3661,1816.5 3677.5,1816.5 ; 3661,1818 3677.5,1818 ; 3661,1819.5 3677.5,1819.5 ; 3661,1821 3677.5,1821 ; 3661,1822.5 3677.5,1822.5 ; 3661,1824 3677.5,1824 ; 3661,1825.5 3677.5,1825.5 ; 3661,1827 3677.5,1827 ; 3661,1828.5 3677.5,1828.5 ; 3661,1830 3677.5,1830 ; 3661,1831.5 3677.5,1831.5 ; 3661,1833 3677.5,1833 ; 3661,1834.5 3677.5,1834.5 ; 3661,1836 3677.5,1836 ; 3661,1837.5 3677.5,1837.5 ; 3661,1839 3677.5,1839 ; 3661,1840.5 3677.5,1840.5 ; 3661,1842 3677.5,1842 ; 3661,1843.5 3677.5,1843.5 ; 3661,1845 3677.5,1845 ; 3661,1846.5 3677.5,1846.5 ; 3661,1848 3677.5,1848 ; 3661,1849.5 3677.5,1849.5 ; 3661,1851 3677.5,1851 ; 3661,1852.5 3677.5,1852.5 ; 3661,1854 3677.5,1854 ; 3661,1855.5 3677.5,1855.5 ; 3661,1857 3677.5,1857 ; 3661,1858.5 3677.5,1858.5 ; 3661,1860 3677.5,1860 ; 3661,1861.5 3677.5,1861.5 ; 3661,1863 3677.5,1863 ; 3661,1864.5 3677.5,1864.5 ; 3661,1866 3677.5,1866 ; 3661,1867.5 3677.5,1867.5 ; 3661,1869 3677.5,1869 ; 3661,1870.5 3677.5,1870.5 ; 3661,1872 3677.5,1872 ; 3661,1873.5 3677.5,1873.5 ; 3661,1875 3677.5,1875 ; 3661,1876.5 3677.5,1876.5 ; 3661,1878 3677.5,1878 ; 3661,1879.5 3677.5,1879.5 ; 3661,1881 3677.5,1881 ; 3661,1882.5 3677.5,1882.5 ; 3661,1884 3677.5,1884 ; 3661,1890 3703,1890 ; 3661,1891.5 3712,1891.5 ; 3661,1893 3721,1893 ; 3661,1894.5 3730,1894.5 ; 3661,1896 3739,1896 ; 3661,1897.5 3748,1897.5 ; 3661,1899 3757,1899 ; 3661,1900.5 3764.5,1900.5 ; 3661,1902 3832,1902 ; 3661,1903.5 3677.5,1903.5 ; 3661,1923 3677.5,1923 ; 3661,1924.5 3677.5,1924.5 ; 3661,1926 3677.5,1926 ; 3661,1927.5 3677.5,1927.5 ; 3661,1929 3677.5,1929 ; 3661,1930.5 3677.5,1930.5 ; 3661,1932 3677.5,1932 ; 3661,1933.5 3677.5,1933.5 ; 3661,1935 3677.5,1935 ; 3661,1936.5 3677.5,1936.5 ; 3661,1938 3677.5,1938 ; 3661,1939.5 3677.5,1939.5 ; 3661,1941 3677.5,1941 ; 3661,1942.5 3677.5,1942.5 ; 3661,1944 3677.5,1944 ; 3661,1945.5 3677.5,1945.5 ; 3661,1947 3677.5,1947 ; 3661,1948.5 3677.5,1948.5 ; 3661,1950 3677.5,1950 ; 3661,1951.5 3677.5,1951.5 ; 3661,1953 3677.5,1953 ; 3661,1954.5 3677.5,1954.5 ; 3661,1956 3677.5,1956 ; 3661,1957.5 3677.5,1957.5 ; 3661,1959 3677.5,1959 ; 3661,1960.5 3677.5,1960.5 ; 3661,1962 3677.5,1962 ; 3661,1963.5 3680.5,1963.5 ; 3662.5,1753.5 3665.5,1753.5 ; 3662.5,1755 3665.5,1755 ; 3662.5,1758 3667,1758 ; 3662.5,1759.5 3667,1759.5 ; 3662.5,1761 3665.5,1761 ; 3662.5,1807.5 3676,1807.5 ; 3664,1680 3676,1680 ; 3664,1806 3674.5,1806 ; 3665.5,1717.5 3671.5,1717.5 ; 3665.5,1719 3671.5,1719 ; 3667,1720.5 3673,1720.5 ; 3667,1776 3671.5,1776 ; 3667,1777.5 3671.5,1777.5 ; 3667,1779 3671.5,1779 ; 3667,1780.5 3671.5,1780.5 ; 3667,1782 3671.5,1782 ; 3667,1783.5 3671.5,1783.5 ; 3667,1785 3671.5,1785 ; 3667,1786.5 3671.5,1786.5 ; 3667,1788 3671.5,1788 ; 3667,1789.5 3671.5,1789.5 ; 3667,1791 3671.5,1791 ; 3667,1792.5 3671.5,1792.5 ; 3667,1794 3671.5,1794 ; 3667,1795.5 3671.5,1795.5 ; 3667,1797 3671.5,1797 ; 3667,2011.5 3671.5,2011.5 ; 3667,2013 3671.5,2013 ; 3667,2014.5 3671.5,2014.5 ; 3667,2016 3671.5,2016 ; 3667,2017.5 3671.5,2017.5 ; 3667,2019 3671.5,2019 ; 3667,2020.5 3671.5,2020.5 ; 3667,2022 3671.5,2022 ; 3667,2023.5 3671.5,2023.5 ; 3667,2025 3671.5,2025 ; 3667,2026.5 3671.5,2026.5 ; 3667,2028 3671.5,2028 ; 3667,2029.5 3671.5,2029.5 ; 3667,2031 3671.5,2031 ; 3667,2032.5 3671.5,2032.5 ; 3667,2034 3671.5,2034 ; 3668.5,1722 3674.5,1722 ; 3668.5,1723.5 3674.5,1723.5 ; 3668.5,1753.5 3671.5,1753.5 ; 3668.5,1758 3679,1758 ; 3670,1725 3676,1725 ; 3670,1752 3677.5,1752 ; 3670,1759.5 3673,1759.5 ; 3670,1761 3673,1761 ; 3670,1762.5 3679,1762.5 ; 3671.5,1726.5 3677.5,1726.5 ; 3673,1750.5 3674.5,1750.5 ; 3673,2007 3700,2007 ; 3676,1746 3707.5,1746 ; 3676,1753.5 3679,1753.5 ; 3676,1755 3679,1755 ; 3676,1756.5 3679,1756.5 ; 3680.5,1770 3704.5,1770 ; 3680.5,2077.5 3688,2077.5 ; 3682,1752 3692.5,1752 ; 3682,1753.5 3686.5,1753.5 ; 3682,1761 3685,1761 ; 3682,1762.5 3691,1762.5 ; 3682,1803 3701.5,1803 ; 3682,2076 3688,2076 ; 3682,2079 3689.5,2079 ; 3683.5,1755 3688,1755 ; 3683.5,2040 3706,2040 ; 3683.5,2080.5 3689.5,2080.5 ; 3683.5,2082 3691,2082 ; 3685,1756.5 3689.5,1756.5 ; 3685,1764 3688,1764 ; 3685,1917 3707.5,1917 ; 3685,2074.5 3686.5,2074.5 ; 3685,2083.5 3691,2083.5 ; 3686.5,1690.5 3737.5,1690.5 ; 3686.5,2085 3692.5,2085 ; 3686.5,2086.5 3692.5,2086.5 ; 3686.5,2088 3692.5,2088 ; 3688,1758 3691,1758 ; 3688,2005.5 3704.5,2005.5 ; 3688,2062.5 3710.5,2062.5 ; 3688,2089.5 3694,2089.5 ; 3688,2091 3694,2091 ; 3688,2092.5 3694,2092.5 ; 3688,2094 3694,2094 ; 3688,2095.5 3694,2095.5 ; 3688,2118 3739,2118 ; 3689.5,1711.5 3695.5,1711.5 ; 3689.5,1713 3695.5,1713 ; 3689.5,1714.5 3694,1714.5 ; 3689.5,1716 3694,1716 ; 3689.5,1717.5 3694,1717.5 ; 3689.5,1719 3694,1719 ; 3689.5,1720.5 3694,1720.5 ; 3689.5,1722 3695.5,1722 ; 3689.5,1759.5 3692.5,1759.5 ; 3689.5,1761 3692.5,1761 ; 3689.5,2097 3694,2097 ; 3689.5,2098.5 3715,2098.5 ; 3689.5,2100 3704.5,2100 ; 3689.5,2101.5 3695.5,2101.5 ; 3689.5,2103 3695.5,2103 ; 3689.5,2104.5 3697,2104.5 ; 3689.5,2106 3725.5,2106 ; 3691,1707 3698.5,1707 ; 3691,1708.5 3697,1708.5 ; 3691,1710 3695.5,1710 ; 3691,1723.5 3697,1723.5 ; 3691,1725 3698.5,1725 ; 3691,1768.5 3710.5,1768.5 ; 3691,1804.5 3706,1804.5 ; 3691,2073 3703,2073 ; 3691,2074.5 3716.5,2074.5 ; 3691,2107.5 3707.5,2107.5 ; 3691,2109 3694,2109 ; 3692.5,1705.5 3701.5,1705.5 ; 3692.5,1726.5 3701.5,1726.5 ; 3692.5,1747.5 3713.5,1747.5 ; 3692.5,2071.5 3697,2071.5 ; 3694,1704 3712,1704 ; 3694,1728 3712,1728 ; 3694,2041.5 3710.5,2041.5 ; 3695.5,1702.5 3710.5,1702.5 ; 3695.5,1915.5 3716.5,1915.5 ; 3695.5,2004 3709,2004 ; 3695.5,2080.5 3700,2080.5 ; 3695.5,2082 3700,2082 ; 3695.5,2083.5 3701.5,2083.5 ; 3695.5,2085 3701.5,2085 ; 3695.5,2086.5 3701.5,2086.5 ; 3695.5,2088 3701.5,2088 ; 3697,1729.5 3709,1729.5 ; 3697,1767 3713.5,1767 ; 3697,1806 3710.5,1806 ; 3697,2076 3713.5,2076 ; 3697,2089.5 3722.5,2089.5 ; 3697,2091 3713.5,2091 ; 3697,2092.5 3704.5,2092.5 ; 3698.5,1773 3706,1773 ; 3698.5,2037 3704.5,2037 ; 3698.5,2061 3716.5,2061 ; 3698.5,2104.5 3725.5,2104.5 ; 3700,1692 3742,1692 ; 3700,1701 3704.5,1701 ; 3700,1774.5 3707.5,1774.5 ; 3700,2002.5 3712,2002.5 ; 3700,2035.5 3706,2035.5 ; 3700,2043 3715,2043 ; 3700,2097 3724,2097 ; 3701.5,1749 3718,1749 ; 3701.5,1776 3709,1776 ; 3701.5,1807.5 3713.5,1807.5 ; 3701.5,2034 3707.5,2034 ; 3701.5,2077.5 3710.5,2077.5 ; 3701.5,2116.5 3743.5,2116.5 ; 3703,1765.5 3718,1765.5 ; 3703,1777.5 3710.5,1777.5 ; 3703,2032.5 3709,2032.5 ; 3703,2079 3710.5,2079 ; 3704.5,1705.5 3713.5,1705.5 ; 3704.5,1726.5 3713.5,1726.5 ; 3704.5,1779 3712,1779 ; 3704.5,1914 3725.5,1914 ; 3704.5,2001 3716.5,2001 ; 3704.5,2031 3710.5,2031 ; 3704.5,2044.5 3719.5,2044.5 ; 3704.5,2059.5 3721,2059.5 ; 3704.5,2080.5 3710.5,2080.5